# Altium PCB senocore_pcb_long.PcbDoc (part 1 of 2)
Units mm, origin at the board's own origin, x right, y up, seen from the top; angles counter-clockwise.
Board outline 68.21 x 46.01 mm, 4 copper layers (Top Layer, gnd, sig, Bottom Layer), stack 0.778 mm thick; 91 components, 74 nets, 361 pads, 139 vias.
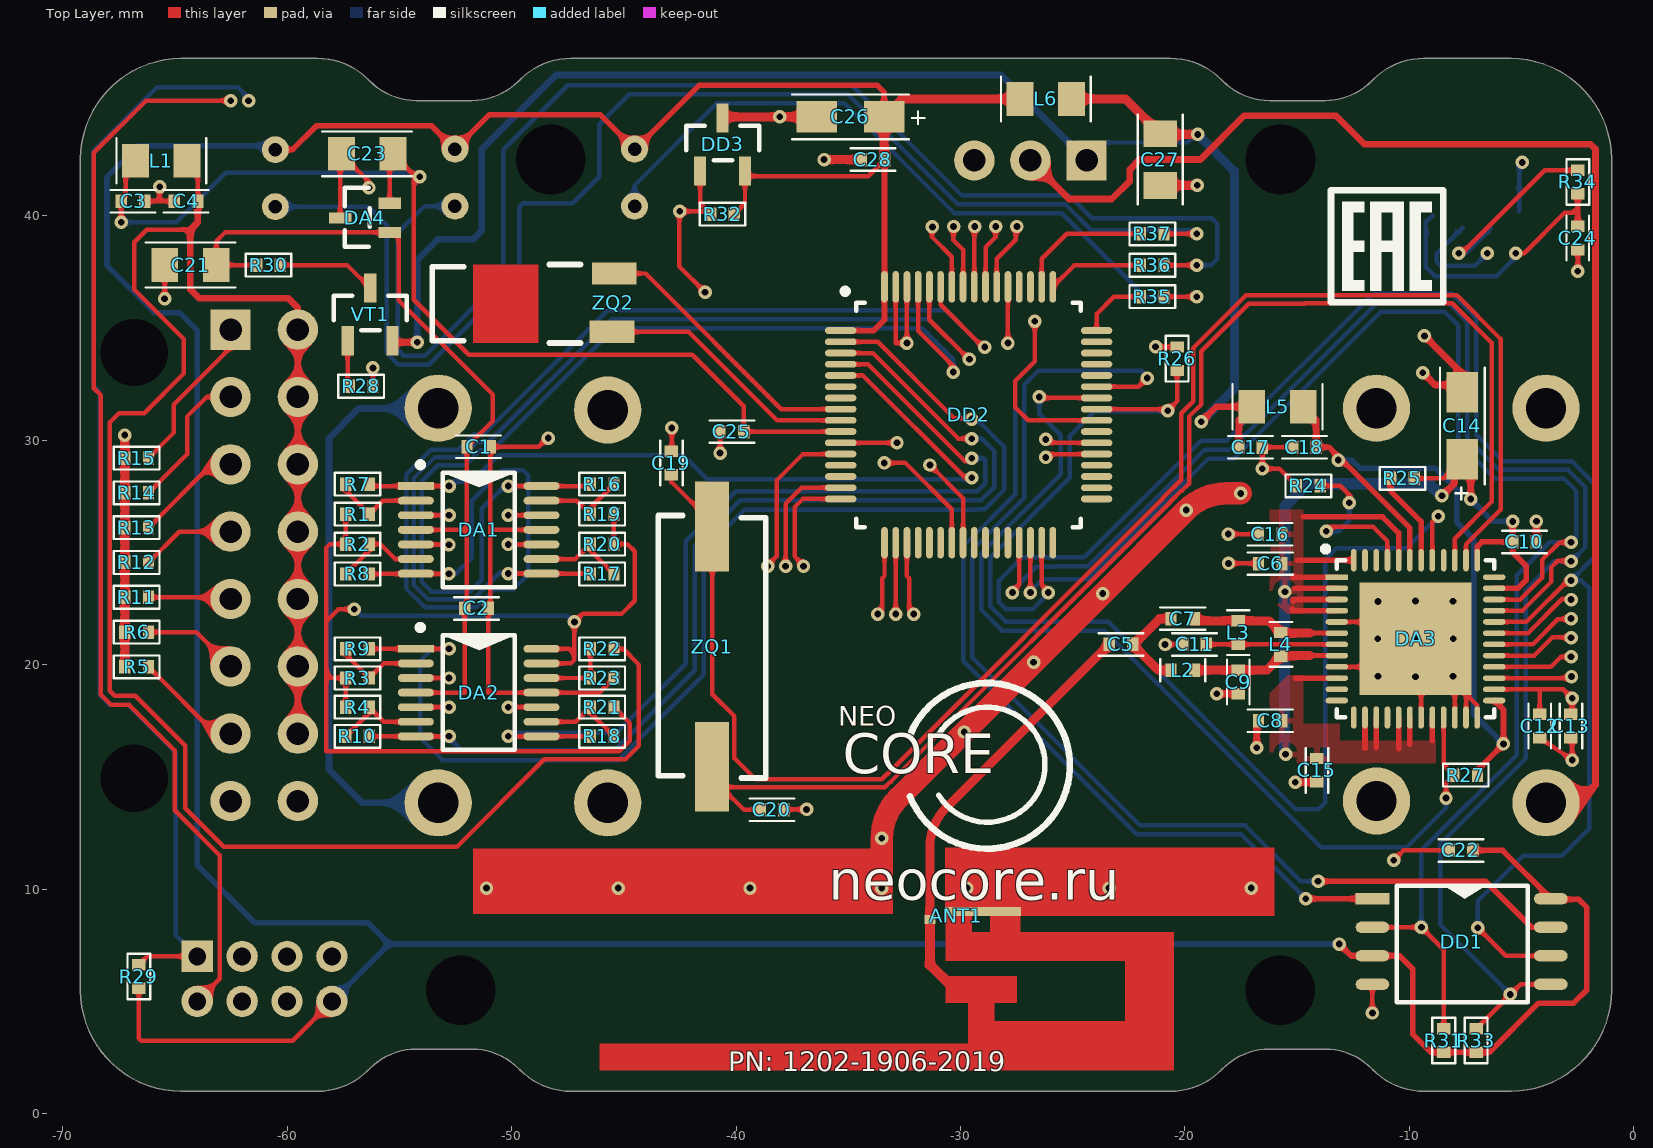
[diagram p0: Top Layer view]
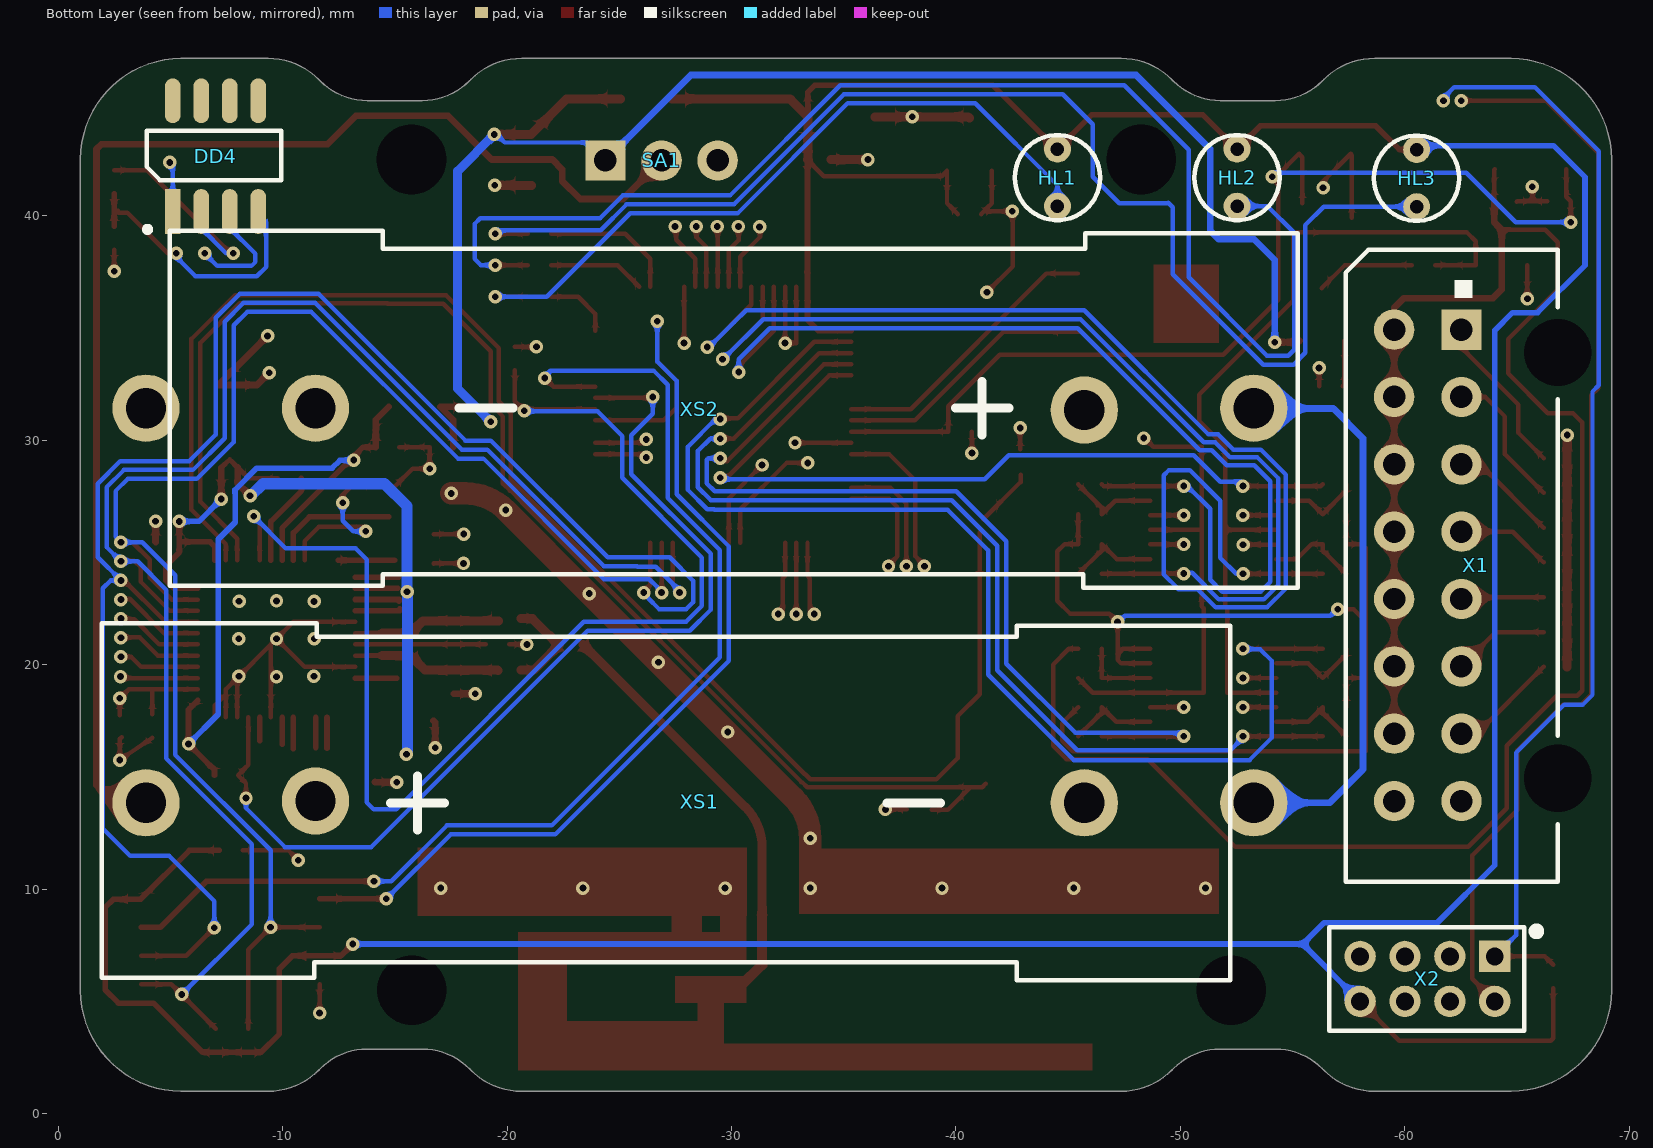
[diagram p1: Bottom Layer view, seen from below]
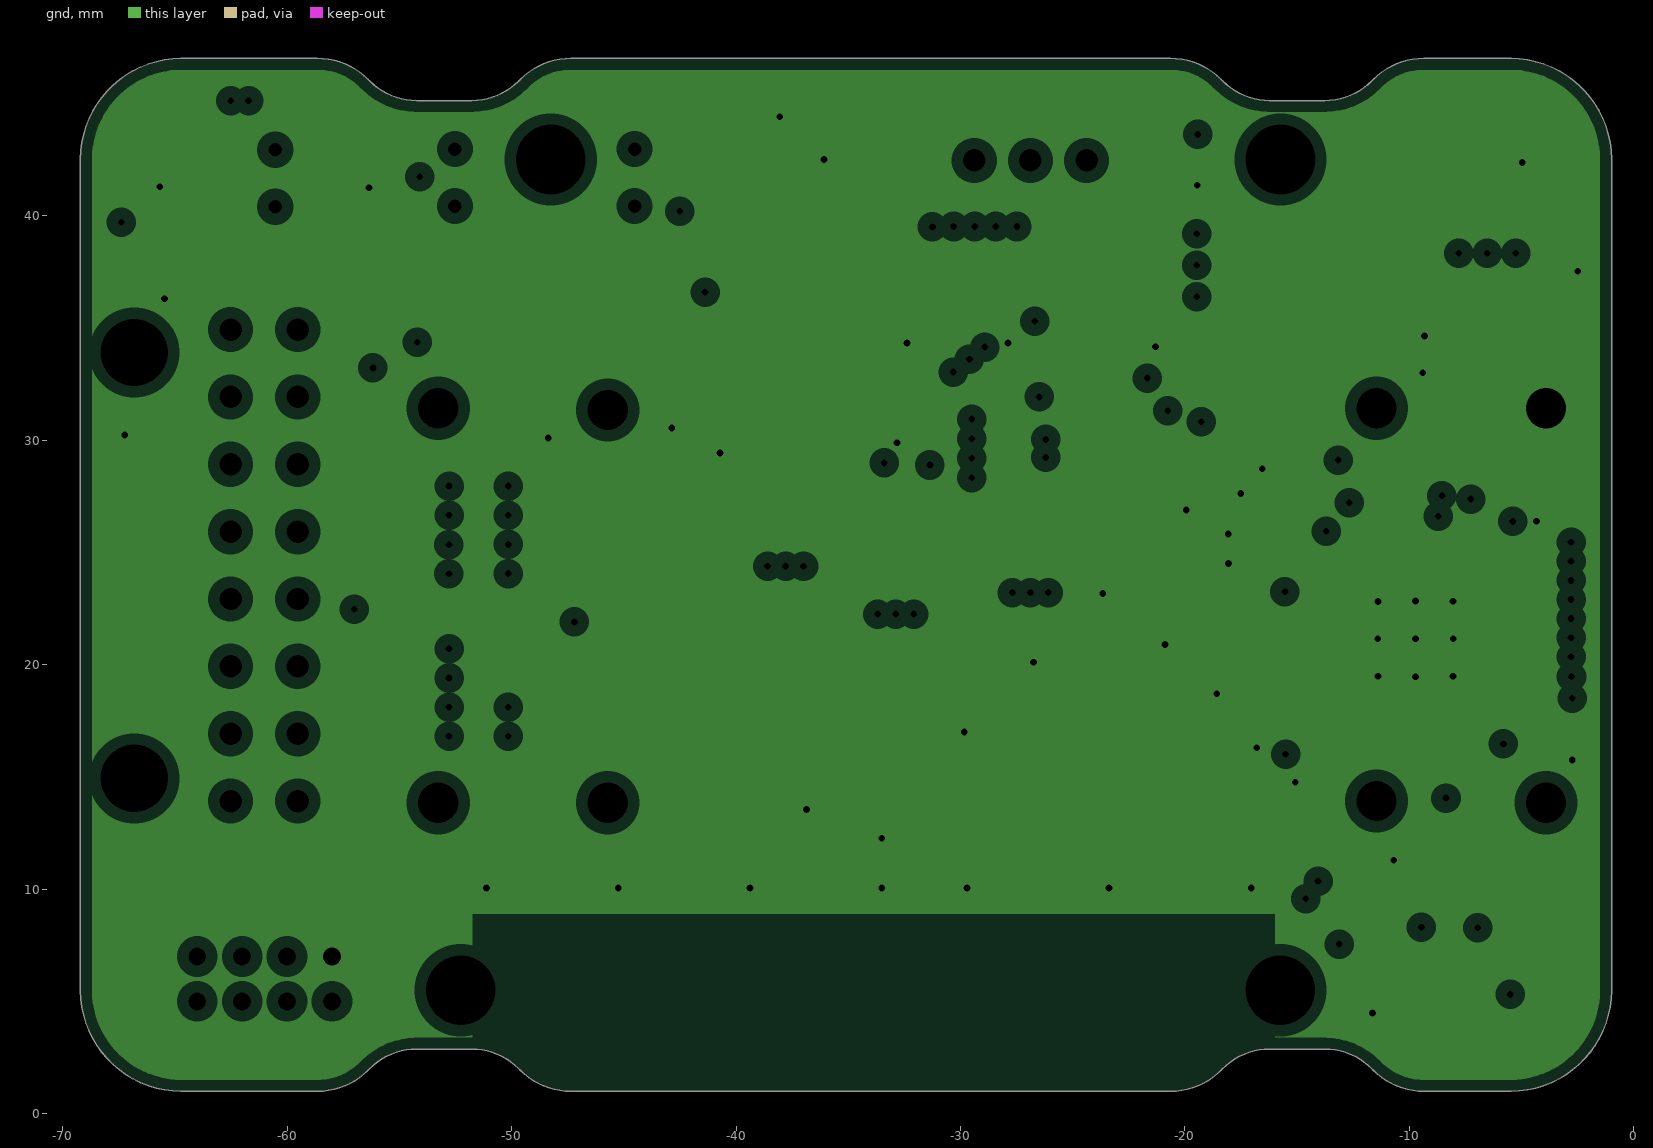
[diagram p2: gnd, clearances drawn from the general rule]
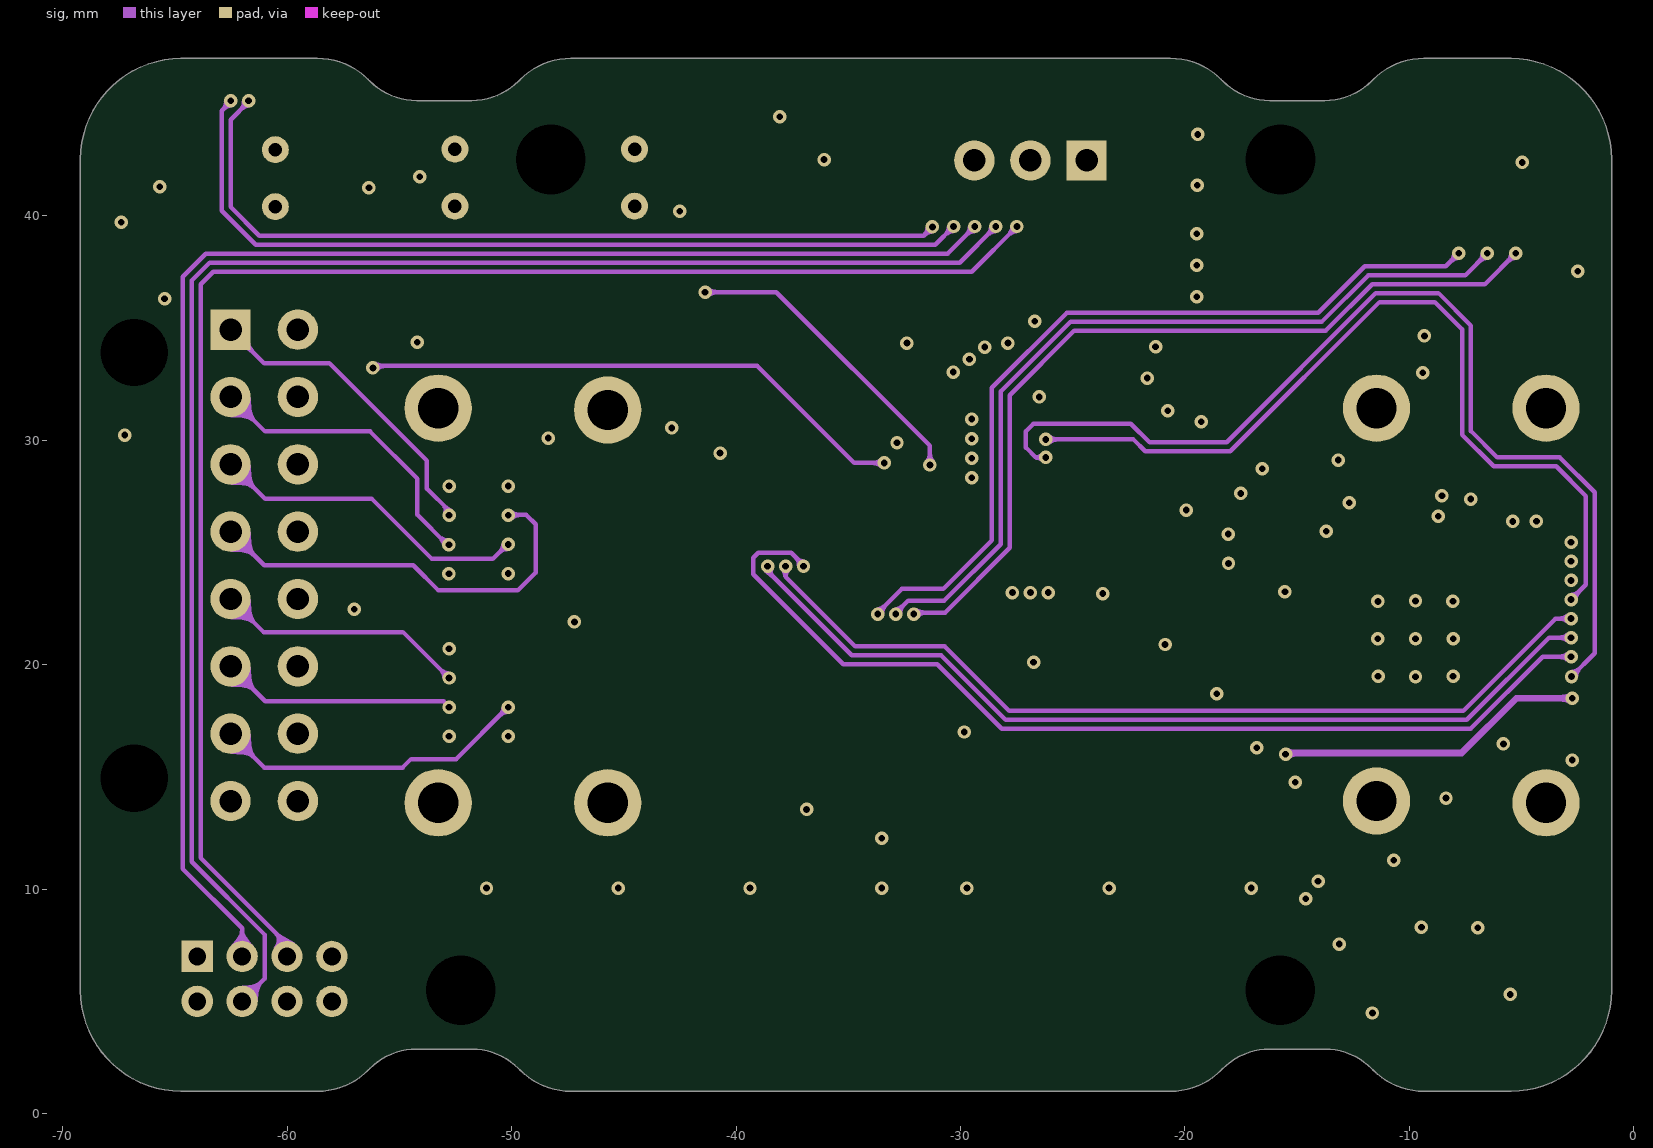
[diagram p3: sig]

## Layer stack, top to bottom
Top Solder: solder mask 0.0102, Solder Resist, Dk 3.5
Top Layer: signal copper 0.0356
Dielectric 1: core 0.254, FR-4, Dk 4.2
gnd: plane copper 0.036, net GND
Dielectric 3: prepreg 0.127, Dk 4.2
sig: signal copper 0.036
Dielectric 2: core 0.254, Dk 4.2
Bottom Layer: signal copper 0.0356
Bottom Solder: solder mask 0.0102, Solder Resist, Dk 3.5

## Board outline
-64.723,0.996 ccw(c-64.7,1.121) -64.7,0.994 -58.649,0.994 ccw(c-58.649,4.187) -56.391,1.929 -56.308,2.012 cw(c-56.398,2.102) -56.308,2.011 -56.308,2.012 cw(c-54.23,-0.066) -54.23,2.873 -51.77,2.873 cw(c-51.77,-0.066) -49.692,2.012 ccw(c-49.602,2.102) -49.692,2.011 -49.692,2.012 -49.609,1.929 ccw(c-47.351,4.187) -47.351,0.994 -20.649,0.994 ccw(c-20.649,4.187) -18.391,1.929 ccw(c-18.481,2.019) -18.359,1.981 ccw(c-18.398,2.102) -18.308,2.012 cw(c-16.23,-0.066) -16.23,2.873 -13.77,2.873 cw(c-13.77,-0.066) -11.692,2.012 -11.609,1.929 cw(c-11.519,2.019) -11.61,1.93 -11.609,1.929 ccw(c-9.351,4.187) -9.351,0.994 -5.5,0.994 ccw(c-5.5,1.121) -5.477,0.996 ccw(c-5.5,5.5) -0.996,5.477 ccw(c-1.121,5.5) -0.994,5.5 -0.994,42.5 ccw(c-1.121,42.5) -0.996,42.523 ccw(c-5.5,42.5) -5.477,47.004 ccw(c-5.5,46.879) -5.5,47.006 -9.351,47.006 ccw(c-9.351,43.813) -11.609,46.071 ccw(c-11.519,45.981) -11.61,46.07 -11.609,46.071 -11.692,45.988 cw(c-11.602,45.898) -11.692,45.989 -11.692,45.988 cw(c-13.77,48.066) -13.77,45.127 -16.23,45.127 cw(c-16.23,48.066) -18.308,45.988 -18.391,46.071 cw(c-18.481,45.981) -18.39,46.07 -18.391,46.071 ccw(c-20.649,43.813) -20.649,47.006 -47.351,47.006 ccw(c-47.351,43.813) -49.609,46.071 ccw(c-49.519,45.981) -49.641,46.019 ccw(c-49.602,45.898) -49.692,45.988 cw(c-51.77,48.066) -51.77,45.127 -54.23,45.127 cw(c-54.23,48.066) -56.308,45.988 -56.391,46.071 ccw(c-58.649,43.813) -58.649,47.006 -64.7,47.006 ccw(c-64.7,46.879) -64.723,47.004 ccw(c-64.7,42.5) -69.204,42.523 ccw(c-69.079,42.5) -69.206,42.5 -69.206,5.5 ccw(c-69.079,5.5) -69.204,5.477 ccw(c-64.7,5.5)

## Design rules (kind name [scope] priority, off if disabled: settings)
Clearance [All] p1: gap=0.15 ignorepadtopadclearanceinfootprint=FALSE
Clearance Clearance_1 [Name = 'HF-GUARD'] p2: gap=0.8 ignorepadtopadclearanceinfootprint=FALSE
HoleSize [All] p1: absolutevalues=TRUE maxlimit=5 minlimit=0.3 maxpercent=80.000 minpercent=20.000
MinimumSolderMaskSliver [All] p1: minsoldermaskwidth=0.15
PlaneClearance [All] p1: clearance=0.508
PlaneConnect [All] p1: planeconnectstyle=Relief reliefexpansion=0.508 reliefentries=4 reliefconductorwidth=0.254 reliefairgap=0.254
PolygonConnect PolygonConnect_1 [Name = 'HF-GUARD'] p1: connectstyle=Relief reliefconductorwidth=0.254 reliefentries=4 polygonreliefangle="90 Angle" airgapwidth=0.254
PolygonConnect [All] p2: connectstyle=Relief reliefconductorwidth=0.254 reliefentries=4 polygonreliefangle="90 Angle" airgapwidth=0.254
RoomDefinition senocore [InComponentClass('senocore')] p1: confinementstyle=ConfineIn formatcopy=TRUE lockcomponents=FALSE outline 0.28,19.172 24.28,19.172 24.28,28.171 0.28,28.171
RoomDefinition S [InComponentClass('S')] p2: confinementstyle=ConfineIn formatcopy=TRUE lockcomponents=FALSE outline 0.28,12.922 39.03,12.922 39.03,17.922 0.28,17.922
RoomDefinition R [InComponentClass('R')] p3: confinementstyle=ConfineIn formatcopy=TRUE lockcomponents=FALSE outline 0.28,2.672 18.28,2.672 18.28,11.672 0.28,11.672
RoutingVias [All] p1: holewidth=0.3 width=0.6 viastyle="Through Hole" minholewidth=0.3 minwidth=0.6 maxholewidth=1 maxwidth=2
SilkToSolderMaskClearance [IsPad] p1: minsilkscreentomaskgap=0.2 clearancetoexposedcopper=TRUE
SolderMaskExpansion [All] p1: expansion=0.102
Width [All] p1: maxlimit=2 minlimit=0.15 preferedwidth=0.2 minimp=50.000000 maximp=50.000000 favimp=50.000000
25 further rules are at their usual default settings.

## Classes and differential pairs
component class R: ANT1 C5 C6 C7 C8 C9 C10 C11 C12 C13 C14 C15 C16 C17 C18 C19 C20 DA3 L2 L3 L4 L5 R24 R25 R26 R27 ZQ1
component class senocore: C21 C22 C23 C24 C25 C26 C27 C28 DA4 DD1 DD2 DD3 DD4 HL1 HL2 HL3 L6 R28 R29 R30 R31 R32 R33 R34 R35 R36 R37 SA1 VT1 X2 XS1 XS2 ZQ2
component class S: C1 C2 C3 C4 DA1 DA2 L1 R1 R2 R3 R4 R5 R6 R7 R8 R9 R10 R11 R12 R13 R14 R15 R16 R17 R18 R19 R20 R21 R22 R23 UGO*1 UGO*2 UGO*3 UGO*4 X1

## Components (designator, comment, footprint, x,y, rotation, side; value= is the part's Value field where it differs from the comment)
ANT1 "PCB ANTENNA 2.4Ghz" F-antena -30.676,8.822 r180 top
C1 "100n" CAP0402 -51.463,29.704 r0 top
C2 "100n" CAP0402 -51.563,22.504 r0 top
C3 "100n" CAP0402 -66.86,40.645 r0 top
C4 "100n" CAP0402 -64.5,40.645 r180 top
C5 "5.6p" CAP0402 -22.85,20.9 r0 top
C6 "100n" CAP0402 -16.2,24.5 r180 top
C7 "0.5p" CAP0402 -20.1,22.05 r0 top
C8 "100n" CAP0402 -16.2,17.5 r180 top
C9 "0.5p" CAP0402 -17.625,19.225 r270 top
C10 "100n" CAP0402 -4.877,25.466 r0 top
C11 "5.6p" CAP0402 -19.575,20.9 r180 top
C12 "100n" CAP0402 -4.197,17.259 r270 top
C13 "33p" CAP0402 -2.805,17.259 r270 top
C14 "10u" CAPSMDA -7.641,30.64 r90 top
C15 "33p" CAP0402 -14.122,15.291 r270 top
C16 "33p" CAP0402 -16.205,25.806 r180 top
C17 "100n" CAP0402 -17.077,29.686 r0 top
C18 "100n" CAP0402 -14.677,29.686 r180 top
C19 "27p" CAP0402 -42.876,28.981 r90 top
C20 "27p" CAP0402 -38.399,13.537 r0 top
C21 "10u" CAP0805 -64.3,37.8 r180 top
C22 "100n" CAP0402 -7.705,11.723 r0 top
C23 "10u" CAP0805 -56.431,42.75 r180 top
C24 "100n" CAP0402 -2.5,39 r270 top
C25 "100n" CAP0402 -40.183,30.378 r180 top
C26 "10u" CAPSMDA -34.9,44.4 r180 top
C27 "10u" CAP0805 -21.1,42.5 r270 top
C28 "100n" CAP0402 -33.9,42.5 r180 top
DA1 "OPA4376" TSSOP-14 -43.063,20.154 r0 top
DA2 "OPA4376" TSSOP-14 -43.063,12.904 r0 top
DA3 "CC2420" QLP-48 -9.73,21.147 r0 top
DA4 "2.048V" SC70-3 -55.431,39.25 r180 top
DD1 "M25P80V6" So-8W -11.65,9.57 r0 top
DD2 "M430F1611" LQFP-64 -29.635,31.13 r0 top
DD3 "DS2411" SOT-23-3 -40.6,43.171 r90 top
DD4 "SHT10" SHT1x -3.84,40.187 r90 bottom
HL1 "RED" "LED RED TH L-1394IDT" -44.519,42.965 r270 bottom locked
HL2 "GREEN" "LED GREEN TH L-1394GDT" -52.519,42.965 r270 bottom locked
HL3 "YELLOW" "LED YELLOW TH L-1394YDT" -60.519,42.941 r270 bottom locked
L1 "10uH" IND0805 -65.6,42.445 r0 top
L2 "7.5nH" IND0402 -20.1,19.75 r0 top
L3 "5.6nH" IND0402 -17.625,21.425 r90 top
L4 "7.5nH" IND0402 -15.725,20.9 r90 top
L5 "10uH" IND0805 -15.877,31.486 r0 top
L6 "10uH" IND0805 -26.2,45.2 r180 top
R1 "20K" RES0402 -56.863,26.704 r180 top
R2 "20K" RES0402 -56.863,25.371 r180 top
R3 "20K" RES0402 -56.863,19.404 r180 top
R4 "20K" RES0402 -56.863,18.104 r180 top
R5 "10K" RES0402 -66.7,19.9 r180 top
R6 "10K" RES0402 -66.7,21.45 r180 top
R7 "10K" RES0402 -56.863,28.037 r180 top
R8 "10K" RES0402 -56.863,24.037 r180 top
R9 "10K" RES0402 -56.863,20.704 r180 top
R10 "10K" RES0402 -56.863,16.804 r180 top
R11 "10K" RES0402 -66.7,23 r180 top
R12 "10K" RES0402 -66.7,24.55 r180 top
R13 "10K" RES0402 -66.7,26.1 r180 top
R14 "10K" RES0402 -66.7,27.65 r180 top
R15 "10K" RES0402 -66.7,29.2 r180 top
R16 "10K" RES0402 -45.963,28.037 r180 top
R17 "10K" RES0402 -45.963,24.037 r180 top
R18 "10K" RES0402 -45.963,16.804 r180 top
R19 "20K" RES0402 -45.963,26.704 r180 top
R20 "20K" RES0402 -45.963,25.371 r180 top
R21 "20K" RES0402 -45.963,18.104 r180 top
R22 "20K" RES0402 -45.963,20.704 r180 top
R23 "20K" RES0402 -45.963,19.404 r0 top
R24 "43K" RES0402 -14.503,27.965 r0 top
R25 "0" RES0402 -10.312,28.296 r180 top
R26 "750K" RES0402 -20.353,33.629 r90 top
R27 "750K" RES0402 -7.493,15.074 r0 top
R28 "470" RES0402 -56.7,32.4 r180 top
R29 "750K" RES0402 -66.599,6.105 r270 top
R30 "1" RES0402 -60.825,37.8 r180 top
R31 "10K" RES0402 -8.472,3.255 r90 top
R32 "2.2K" RES0402 -40.6,40.071 r0 top
R33 "10K" RES0402 -7.028,3.255 r90 top
R34 "10K" RES0402 -2.5,41.5 r90 top
R35 "470" RES0402 -21.454,36.39 r180 top
R36 "220" RES0402 -21.454,37.791 r180 top
R37 "100" RES0402 -21.454,39.191 r180 top
SA1 "MSK-12D19" "MSK-12D19 SPDT" -24.385,42.458 r180 bottom
VT1 "IRLML5103" SOT-23-3 -56.3,35.6 r90 top
X1 "Microfit3.0 16 pins R thru hole" microfit30_16 -59.517,34.923 r180 bottom
X2 "DS-1026-06 2X4" "PBD2-8 2MM" -64,7 r270 bottom
XS1 "Keystone AA Battery Clip" "KEYSTONE AA CLIPS" -3.917,13.842 r180 bottom locked
XS2 "Keystone AA Battery Clip" "KEYSTONE AA CLIPS" -53.267,31.423 r0 bottom locked
ZQ1 "16.000M" HC49SMD -50.369,8.447 r90 top
ZQ2 "32.768K" DT-26 -50.025,35.923 r0 top

## Footprints (in the part's own frame and the unit in brackets; to place one, negate y for a bottom-side part, rotate by r counter-clockwise, add the part's x,y. Pads: shape width x height; smd on the part's side, far side on the other; paste and mask are expansions set on the pad)
CAP0402 [mm]
  rect 0.5x0.6 smd: 1(-0.525,0) 2(0.525,0)
  silkscreen extent -1,-0.5 1,0.5, body extent -0.5,-0.25 0.5,0.25, height 0.5
CAP0805 [mm]
  rect 1.2x1.5 smd: 1(-1.148,0) 2(1.148,0)
  silkscreen extent -2,-1 2,1, body extent -1,-0.6 1,0.65, height 0.78
CAPSMDA [mm]
  rect 1.8x1.4 smd: 1(-1.5,0) 2(1.5,0)
  silkscreen extent -3.33,-1 2.6,1, body extent -1.82,-0.9 1.82,0.9, height 1.81
DT-26 [mm] "L=6mm D=2mm"
  rect 2x1 smd: 1(4.6,1.5) 2(4.5,-1.1)
  Top Layer region: -1.7,-1.6 1.228,-1.6 1.228,1.9 -1.7,1.9
  silkscreen extent -3.5,-1.6 3.1,1.9, body extent -3.39,-1.36 5.59,1.7, height 2
F-antena [mm] "2.4 Ghz fow zigbee"
  rect 0.5x0.4 smd: 1(0.686,0.178)
  rect 3.4x0.4 smd: 2(-1.676,-0.178)
  Top Layer region: 0.45,0 0.91,0 0.91,2.1 0.45,2.1
  Top Layer region: -3.35,0 -2,0 -2,0.74 -3.35,0.74
  Top Layer region: -1.2,0 0,0 0,0.74 -1.2,0.74
  Top Layer region: -3.2,2.69 0,2.69 0,3.9 -3.2,3.9
  Top Layer region: -8,0.74 0,0.74 0,2.03 -8,2.03
  Top Layer region: -10.18,0.74 -8,0.74 -8,5.7 -10.18,5.7
  Top Layer region: -10.18,5.7 15.4,5.7 15.4,6.91 -10.18,6.91
  Top Layer region: -2.2,3.9 -1,3.9 -1,5.7 -2.2,5.7
  Top Layer region: -8,4.7 -2.2,4.7 -2.2,5.7 -8,5.7
  Top Layer region: -0.037,3.238 -0.362,2.913 0.45,2.1 0.775,2.425
  Top Layer region: 0.45,2.03 0.45,2.1 0.775,2.425 0.91,2.291 0.91,2.03
HC49SMD [mm]
  rect 4x1.5 smd: 1(7,-9.3) 2(17.7,-9.3)
  silkscreen extent 6.5,-11.7 18.2,-6.9, body extent 5.8,-11.7 19,-6.9, height 4.3
IND0402 [mm]
  rect 0.5x0.6 smd: 1(-0.525,0) 2(0.525,0)
  silkscreen extent -1,-0.5 1,0.5, body extent -0.5,-0.25 0.5,0.25, height 0.5
IND0805 [mm]
  rect 1.2x1.5 smd: 1(-1.148,0) 2(1.148,0)
  silkscreen extent -2,-1 2,1, body extent -1.05,-0.75 1.05,0.75, height 1.9
"KEYSTONE AA CLIPS" [mm]
  round 3 hole 1.8: 0(7.55,0.081) 0(41.8,0) 1(0,0) 2(49.35,0)
  silkscreen extent -1.96,-7.9 48.3,8, body extent -1.97,-7.92 51.11,8, height 17.25
"LED GREEN TH L-1394GDT" [mm]
  round 1.2 hole 0.6: 1(0,0) 2(2.54,0)
  silkscreen extent -0.63,-1.9 3.17,1.9, body extent -0.42,-1.73 2.88,1.57, height 20.31
"LED RED TH L-1394IDT" [mm]
  round 1.2 hole 0.6: 1(0,0) 2(2.54,0)
  silkscreen extent -0.63,-1.9 3.17,1.9, body extent -0.42,-1.73 2.88,1.57, height 20.31
"LED YELLOW TH L-1394YDT" [mm]
  round 1.2 hole 0.6: 1(0,0) 2(2.54,0)
  silkscreen extent -0.63,-1.9 3.17,1.9, body extent -0.42,-1.73 2.88,1.57, height 20.31
LQFP-64 [mm] "LQFP, 64-Leads, Body 10,00x10,00mm, Pitch 0,50mm, IPC Medium Density"
  oval 1.4x0.3 smd: 1(-5.7,3.75) 2(-5.7,3.25) 3(-5.7,2.75) 4(-5.7,2.25) 5(-5.7,1.75) 6(-5.7,1.25) 7(-5.7,0.75) 8(-5.7,0.25) 9(-5.7,-0.25) 10(-5.7,-0.75) 11(-5.7,-1.25) 12(-5.7,-1.75) 13(-5.7,-2.25) 14(-5.7,-2.75) 15(-5.7,-3.25) 16(-5.7,-3.75) 33(5.7,-3.75) 34(5.7,-3.25) 35(5.7,-2.75) 36(5.7,-2.25) 37(5.7,-1.75) 38(5.7,-1.25) 39(5.7,-0.75) 40(5.7,-0.25) 41(5.7,0.25) 42(5.7,0.75) 43(5.7,1.25) 44(5.7,1.75) 45(5.7,2.25) 46(5.7,2.75) 47(5.7,3.25) 48(5.7,3.75)
  oval 0.3x1.4 smd: 17(-3.75,-5.7) 18(-3.25,-5.7) 19(-2.75,-5.7) 20(-2.25,-5.7) 21(-1.75,-5.7) 22(-1.25,-5.7) 23(-0.75,-5.7) 24(-0.25,-5.7) 25(0.25,-5.7) 26(0.75,-5.7) 27(1.25,-5.7) 28(1.75,-5.7) 29(2.25,-5.7) 30(2.75,-5.7) 31(3.25,-5.7) 32(3.75,-5.7) 49(3.75,5.7) 50(3.25,5.7) 51(2.75,5.7) 52(2.25,5.7) 53(1.75,5.7) 54(1.25,5.7) 55(0.75,5.7) 56(0.25,5.7) 57(-0.25,5.7) 58(-0.75,5.7) 59(-1.25,5.7) 60(-1.75,5.7) 61(-2.25,5.7) 62(-2.75,5.7) 63(-3.25,5.7) 64(-3.75,5.7)
  silkscreen extent -5.62,-5 5,5.62, body extent -6,-6 6,6, height 1.6
microfit30_16 [mm]
  round 0 hole 3 unplated: 0(7.29,-19.99) 0(7.29,-1.016)
  rect 1.8x1.8 hole 1: 1(3,0)
  round 1.8 hole 1: 2(3,-3) 3(3,-6) 4(3,-9) 5(3,-12) 6(3,-15) 7(3,-18) 8(3,-21) 9(0,0) 10(0,-3) 11(0,-6) 12(0,-9) 13(0,-12) 14(0,-15) 15(0,-18) 16(0,-21)
  silkscreen extent -2.16,-24.59 7.29,3.56, body extent -0.29,-24.57 11.95,3.58, height 8.83
"MSK-12D19 SPDT" [mm]
  rect 1.8x1.8 hole 1: 1(0,0)
  round 1.8 hole 1: 2(2.5,0) 3(5,0)
  body extent -2.53,-2.06 7.67,4.44, height 5.15
"PBD2-8 2MM" [mm]
  rect 1.4x1.4 hole 0.8: 1(0,0)
  round 1.4 hole 0.8: 2(2,0) 3(0,-2) 4(2,-2) 5(0,-4) 6(2,-4) 7(0,-6) 8(2,-6)
  silkscreen extent -1.3,-7.37 3.3,1.95, body extent -0.99,-6.98 3.01,1.02, height 4.7
QLP-48 [mm] "LQFP-48, 48-Leads, Body 7,00x7,00mm, Pitch 0,50mm"
  rect 1x0.25 smd: 1(-3.505,2.753)
  oval 1x0.25 smd: 2(-3.505,2.253) 3(-3.505,1.753) 4(-3.505,1.253) 5(-3.505,0.753) 6(-3.505,0.253) 7(-3.505,-0.247) 8(-3.505,-0.747) 9(-3.505,-1.247) 10(-3.505,-1.747) 11(-3.505,-2.247) 12(-3.505,-2.747) 25(3.505,-2.747) 26(3.505,-2.247) 27(3.505,-1.747) 28(3.505,-1.247) 29(3.505,-0.747) 30(3.505,-0.247) 31(3.505,0.253) 32(3.505,0.753) 33(3.505,1.253) 34(3.505,1.753) 35(3.505,2.253) 36(3.505,2.753)
  oval 0.25x1 smd: 13(-2.75,-3.503) 14(-2.25,-3.503) 15(-1.75,-3.503) 16(-1.25,-3.503) 17(-0.75,-3.503) 18(-0.25,-3.503) 19(0.25,-3.503) 20(0.75,-3.503) 21(1.25,-3.503) 22(1.75,-3.503) 23(2.25,-3.503) 24(2.75,-3.503) 37(2.75,3.503) 38(2.25,3.503) 39(1.75,3.503) 40(1.25,3.503) 41(0.75,3.503) 42(0.25,3.503) 43(-0.25,3.503) 44(-0.75,3.503) 45(-1.25,3.503) 46(-1.75,3.503) 47(-2.25,3.503) 48(-2.75,3.503)
  rect 5x5 smd: 49(0,0.002)
  silkscreen extent -4.13,-3.5 3.51,4.13, body extent -3.51,-3.5 3.51,3.5, height 0.83
RES0402 [mm] "Chip Resistor, 2-Leads, Body 2,0x1,3mm, IPC Medium Density"
  rect 0.5x0.6 smd: 1(-0.525,0) 2(0.525,0)
  silkscreen extent -1.02,-0.51 1.02,0.51, body extent -0.5,-0.25 0.5,0.25, height 0.5
SC70-3 [mm]
  rect 1x0.5 smd: 1(0,0) 2(0,-1.3) 3(2.2,-0.65)
  silkscreen extent 0.89,-1.99 2,0.64, body extent -0.1,-1.7 2.2,0.4, height 1
SHT1x [mm]
  rect 2x0.7 smd: 1(0,-1.27)
  oval 2x0.7 smd: 2(0,-2.54) 3(0,-3.81) 4(0,-5.08) NC(4.93,-5.08) NC(4.93,-3.81) NC(4.93,-2.54) NC(4.93,-1.27)
  silkscreen extent -0.92,-6.1 3.6,-0.02, body extent 0,-6.94 4.93,0.53, height 2.45
So-8W [mm] "208mils"
  rect 1.5x0.5 smd: 1(0,0)
  oval 1.5x0.5 smd: 2(0,-1.27) 3(0,-2.54) 4(0,-3.81) 5(7.95,-3.81) 6(7.95,-2.54) 7(7.95,-1.27) 8(7.95,0)
  silkscreen extent 1.09,-4.61 6.91,0.59, body extent 0.04,-4.54 7.94,0.76, height 1.95
SOT-23-3 [mm]
  rect 1.3x0.55 smd: 1(-1.175,1.001) 2(-1.175,-1.001) 3(1.175,0)
  silkscreen extent -0.7,-1.63 0.83,1.63, body extent -1.27,-1.5 1.27,1.5, height 1.1
TSSOP-14 [mm] "TSOP, 14-Leads, Body 5,00x4,40mm, Pitch 0,65mm, IPC Medium Density"
  rect 1.6x0.35 smd: 1(-11.2,7.8)
  oval 1.6x0.35 smd: 2(-11.2,7.15) 3(-11.2,6.5) 4(-11.2,5.85) 5(-11.2,5.2) 6(-11.2,4.55) 7(-11.2,3.9) 8(-5.6,3.9) 9(-5.6,4.55) 10(-5.6,5.2) 11(-5.6,5.85) 12(-5.6,6.5) 13(-5.6,7.15) 14(-5.6,7.8)
  silkscreen extent -11.12,3.3 -6.8,8.87, body extent -11.6,3.3 -5.2,8.4, height 1.2

## Part data
ANT1: "PCB antenna 2.4Ghz", PartNumber="PCB PRINT"
C1 C2 C3 C4 C6 C8 C10 C12 C17 C18 C22 C24 C25 C28: library part "100n SMD 0402", "0402 SMD", Manufacturer=Yageo, PartNumber=CC0402ZRY5V7BB104, Supplier=Terraelectronica, Unit Price=0.22, WebLink=https://www.terraelectronica.ru/product/543093
C5 C11: library part "5.6p SMD 0402", "+/- 0.25pF NP0 SMD 0402", Manufacturer=Yageo, PartNumber=CC0402CRNPO9BN5R6, Supplier=Terraelectronica, Unit Price=0.27, WebLink=https://www.terraelectronica.ru/product/980955
C7 C9: library part "0.5p SMD 0402", "+/- 0.25pF NP0 SMD 0402", Manufacturer=Murata, PartNumber=GRM1555C1HR50BA01D, Supplier=Terraelectronica, Unit Price=0.69, WebLink=https://www.terraelectronica.ru/product/817877
C13 C15 C16: library part "33p SMD 0402", "0402 SMD", Manufacturer=Yageo, PartNumber=CC0402JRNPO9BN330, Supplier=Terraelectronica, Unit Price=0.24, WebLink=https://www.terraelectronica.ru/product/367363
C14 C26: library part "10u SMD TYPE A", "SMD TYPE A", Manufacturer=Kemet, PartNumber=T491A106K010AT, Supplier=Terraelectronica, Unit Price=5, WebLink=https://www.terraelectronica.ru/product/556976
C19 C20: library part "27p SMD 0402", "0402 SMD", Manufacturer=Samsung, PartNumber=CL05C270JB5NNNC, Supplier=Terraelectronica, Unit Price=0.24, WebLink=https://www.terraelectronica.ru/product/863257
C21 C23 C27: library part "10u SMD 0805", "0805 SMD", Manufacturer=Samsung, PartNumber=CL21A106KPFNNNG, Supplier=Terraelectronica, Unit Price=1.2, WebLink=https://www.terraelectronica.ru/product/984943
DA1 DA2: "Opamp  2.2-5.5 V, Offset 5?V", Manufacturer="Texas Instruments", PartNumber=OPA4376AIPW, WebLink=https://www.terraelectronica.ru/product/349931
DA3: "2.4 GHz transiver", Manufacturer="Texas Instruments", PartNumber=CC2420RGZR, Supplier=Terraelectronica, Unit Price=439, WebLink=https://www.terraelectronica.ru/catalog/integralnye-mikroshemy-dlya-radiosvyazi-274?text=cc2420&search=cc2420
DA4: library part REF3320, "Reference 2.048V", Manufacturer="Texas Instruments", PartNumber="REF3318AIDCKR, REF3318AIDCKT", Supplier=Terrraelectronica, Unit Price=67, WebLink=https://www.terraelectronica.ru/catalog/istochniki-opornogo-napryazheniya-i-toka-256?text=ref3320&search=ref3320
DD1: "Serial memory 2.7-3.6V, 8 Mbit (1 Mbyte)", Manufacturer=Micron, PartNumber=M25P80-VMW, Supplier=Chipdip, Unit Price=130, WebLink=https://www.chipdip.ru/product1/8344124196
DD2: "MCU", Manufacturer="Texas Instruments", PartNumber=MSP430F1611IPM, Supplier=Terraelectronica, Unit Price=1480, WebLink=https://www.terraelectronica.ru/product/67958
DD3: "Unic 48bit serial code. Family code 0x01", Manufacturer=Maxim, PartNumber=DS2411R+T&R, Supplier=Chipdip, Unit Price=130, WebLink=https://www.chipdip.ru/product/ds2411r-t-r-2
DD4: "Temp and hum sensor", Manufacturer=Sensirion, PartNumber=SHT10, Supplier=Terraelectronica, Unit Price=998, WebLink=https://www.terraelectronica.ru/product/325109
HL1: library part "LED Flat top RED TH 3.4mm/2mm", "10 mA, V=2.5 V", Manufacturer=Kingbright, PartNumber=L-1394IDT, Supplier=Chipdip, Unit Price=8, WebLink=https://www.chipdip.ru/product/l-1394id-t
HL2: library part "LED Flat top GREEN TH 3.4mm/2mm", "10 mA, V=2.5 V", Manufacturer=Kingbright, PartNumber=L-1394GDT, Supplier=Chipdip, Unit Price=8, WebLink=https://www.chipdip.ru/product/l-1394gd-t
HL3: library part "LED Flat top YELLOW TH 3.4mm/2mm", "10 mA, V=2.5 V", Manufacturer=Kingbright, PartNumber=L-1394YDT, Supplier=Chipdip, Unit Price=8, WebLink=https://www.chipdip.ru/product/l-1394yd-t
L1 L5 L6: library part "IND 10uH SMD 0805", "0805 SMD", Manufacturer=Murata, PartNumber=LQM21FN100M80L, Supplier=Terraelectronica, Unit Price=4.4, WebLink=https://www.terraelectronica.ru/product/1496283
L2 L4: library part "IND 7.5nH SMD 0402", "SMD 0402 5%", Manufacturer=Murata, PartNumber=LQG15HS7N5J02D, Supplier=Terraelectronica, Unit Price=1.1, WebLink=https://www.terraelectronica.ru/product/574342
L3: library part "IND 5.6nH SMD 0402", "SMD 0402 5%", Manufacturer=Murata, PartNumber=LQG15HS5N6S02D, Supplier=Terraelectronica, Unit Price=1.1, WebLink=https://www.terraelectronica.ru/product/867408
R1 R2 R3 R4 R19 R20 R21 R22 R23: library part "20K 1% SMD 0402", "1% 0402 SMD 0.063W", Manufacturer=Yageo, PartNumber=RC0402FR-0720KL, Supplier=Terraelectronicac, Unit Price=0.11, WebLink=https://www.terraelectronica.ru/product/506449
R5 R6 R7 R8 R9 R10 R11 R12 R13 R14 R15 R16 R17 R18 R31 R33 R34: library part "10K 1% SMD 0402", "1% 0402 SMD 0.063W", Manufacturer=Yageo, PartNumber=RC0402FR-0710KL, Supplier=Terraelectronica, Unit Price=0.1
  R5 R6 R7 R8 R9 R10 R11 R12 R13 R14 R15 R16 R17 R18: WebLink=https://www.terraelectronica.ru/product/358779
  R31 R33 R34: WebLink=tps://www.terraelectronica.ru/product/358779
R24: library part "43K 1% SMD 0402", "1% 0402 SMD 0.063W", Manufacturer=Yageo, PartNumber=RC0402FR-0743KL, Supplier=Terraelectronica, Unit Price=0.11, WebLink=https://www.terraelectronica.ru/product/870768
R25: library part "0R 1% SMD 0402", "1% 0402 SMD 0.063W", Manufacturer=Yageo, PartNumber=RC0402FR-070RL, Supplier=Terraelectronica, Unit Price=0.1, WebLink=https://www.terraelectronica.ru/product/1029619
R26 R27 R29: library part "750K 1% SMD 0402", "1% 0402 SMD 0.063W", Manufacturer=Yageo, PartNumber=RC0402FR-07750KL, Supplier=Terraelectronica, Unit Price=0.1, WebLink=https://www.terraelectronica.ru/product/870851
R28 R35: library part "470R 1% SMD 0402", "1% 0402 SMD 0.063W", Manufacturer=Yageo, PartNumber=RC0402FR-07470RL, Supplier=Terraelectronica, Unit Price=0.1, WebLink=https://www.terraelectronica.ru/product/870778
R30: library part "1R 1% SMD 0402", "1% 0402 SMD 0.063W", Manufacturer=Yageo, PartNumber=RC0402FR-071RL, Supplier=Terraelectronica, Unit Price=0.1, WebLink=https://www.terraelectronica.ru/product/870639
R32: library part "2.2K 1% SMD 0402", "1% 0402 SMD 0.063W", Manufacturer=Yageo, PartNumber=RC0402FR-072K2L, Supplier=Terraelectronica, Unit Price=0.11, WebLink=https://www.terraelectronica.ru/product/560314
R36: library part "220R 1% SMD 0402", "1% 0402 SMD 0.063W", Manufacturer=Yageo, PartNumber=RC0402FR-07220RL, Supplier=Terraelectronica, Unit Price=0.1, WebLink=https://www.terraelectronica.ru/product/870650
R37: library part "100R 1% SMD 0402", "1% 0402 SMD 0.063W", Manufacturer=Yageo, PartNumber=RC0402FR-07100RL, Supplier=Terraelectronica, Unit Price=0.11, WebLink=https://www.terraelectronica.ru/product/361823
SA1: library part "SPD 3 pin MSK-12D19", "Slide switch 3 pin", Manufacturer="Shenzhen Intech Electronic", PartNumber=MSK-12D19, Unit Price=20, WebLink=http://www.intechswitch.com/products/SideKnobToggleslideswitchseries/641.html
VT1: "p-mosfet   -30V 0.76A Vgs=-1V", Manufacturer="International Rectifier", PartNumber=IRLML5103TRPBF, Supplier=Chipdip, Unit Price=9, WebLink=https://www.chipdip.ru/product/irlml5103tr
X1: "Step 3mm, dual row 16 pins, thru hole", Manufacturer=Molex, PartNumber="43045-1601 molex", Supplier=Chipdip, Unit Price=450, WebLink=https://www.chipdip.ru/product/43045-1601
X2: library part "PBD2-8 step 2mm", "Step 2mm 2x4 height 4.3mm", Manufacturer="Ningbo connfly electronic", PartNumber=DS1026-06-2*4S8BV, Supplier=Chipdip, Unit Price=11, WebLink=https://www.chipdip.ru/product/pbd2-8
XS1 XS2: "Button Contact", Manufacturer=Keystone, PartNumber=92, WebLink=https://www.keyelco.com/category.cfm/Cylindrical-Cell-Clips-THM-and-SMT/AA-CR2-Battery-Clips-and-Contacts/id/945
ZQ1: library part "ZQ 16.000M 12pF 20ppm", "Load 12pF 20ppm", Manufacturer=China, PartNumber=16.000MHzHC-49SM, Supplier=Chipdip, Unit Price=15, WebLink=https://www.chipdip.ru/product/16mhz-hc-49sm?from=suggest_product
ZQ2: library part "ZQ 32.768K 12.5pF 20ppm", "Load 12.5pF 20ppm", Manufacturer=China, PartNumber=32768Hz(2x6mm), Supplier=Chipdip, Unit Price=12, WebLink=https://www.chipdip.ru/product/32768hz-2x6mm

## Free pads (board coordinates)
  round 0 hole 3.1 unplated: npth(-52.254,5.5) npth(-48.254,42.5) npth(-15.746,5.5) npth(-15.745,42.5)

## Via types
v1: diameter 0.6, hole 0.3, Top Layer to Bottom Layer, tented both sides, 139 vias

## Nets (pads, with @x,y where several pads share a name; then routed paths per layer and width w, separated by ;. In a path a pad name is that pad's centre, name@x,y a point inside that pad or via, vN(x,y) a via of type N, cw(c..) or ccw(c..) an arc to the next point about the centre after c; other vN are vias at no path point)
1WIRE: DD2.24 DD3.1 R32.1 | length 25.3
  Top Layer w0.2: v1@-42.521,40.216 -42.521,37.737 v1(-41.376,36.591) ; v1(-42.507,40.194) R32.1@-41.249,40.194 ; DD3.1@-41.601,41.996 -41.601,40.547 R32.1@-41.249,40.194 ; R32.1@-41.125,40.071 R32.1@-41.249,40.194 ; v1(-31.362,28.893) -29.885,27.416 DD2.24@-29.885,25.43
  sig w0.2: v1(-41.376,36.591) -38.203,36.591 -31.362,29.75 v1(-31.362,28.893)
#HOLD: DD1.7 DD2.43 | length 52.2
  Top Layer w0.2: DD2.43@-23.935,32.38 -22.07,32.38 v1(-21.685,32.765)
  Top Layer w0.25: v1(-14.073,10.348) -6.607,10.348 -4.559,8.3 DD1.7@-3.7,8.3
  Bottom Layer w0.2: v1(-21.685,32.765) -21.685,32.836 -21.951,33.102 -26.527,33.102 -27.159,32.469 -27.159,27.424 -29.485,25.099 -29.485,20.334 -21.987,12.836 -17.325,12.836 -14.837,10.348 v1(-14.073,10.348)
AIN_1: DA1.1 DD2.5 R7.1 | length 35.5
  Top Layer w0.2: R7.1@-56.338,28.037 -56.254,27.954 DA1.1@-54.263,27.954 v1(-52.78,27.954) ; DD2.5@-35.335,32.88 -34.351,32.88 -29.79,28.319 v1@-29.606,28.319
  Bottom Layer w0.2: v1(-52.78,27.954) -52.78,27.991 -52.62,28.151 -51.771,28.151 -50.598,29.324 -42.348,29.324 -41.274,28.25 v1@-29.517,28.25
  other v1: -29.5,28.319
AIN_2: DA1.7 DD2.59 R8.1 | length 59.4
  Top Layer w0.2: R8.1@-56.338,24.037 -54.279,24.037 DA1.7@-54.271,24.046 ; DA1.7@-54.263,24.054 DA1.7@-54.271,24.046 ; v1(-52.789,24.046) DA1.7@-54.271,24.046 ; DD2.59@-30.885,36.83 -30.885,36.031 -28.998,34.144 -28.994,34.148 v1(-28.918,34.148)
  Bottom Layer w0.2: v1@-52.777,24.046 -52.482,24.046 -51.776,24.752 -51.776,27.299 -50.408,28.667 -49.488,28.667 -49.261,28.44 -49.261,24.015 -49.909,23.367 -50.747,23.367 -51.562,22.552 -53.855,22.552 -54.697,23.394 -54.697,28.455 -53.573,29.58 -52.356,29.58 -51.684,30.252 -51.247,30.252 -45.712,35.787 -30.65,35.787 -30.123,35.26 -29.033,34.17 v1@-28.967,34.17
AIN_3: DA1.8 DD2.60 R17.2 | length 45.8
  Top Layer w0.2: v1(-50.145,24.054) DA1.8@-48.663,24.054 -46.504,24.054 R17.2@-46.488,24.037 ; DD2.60@-31.385,36.83 -31.385,35.362 -29.623,33.6 v1(-29.6,33.6)
  Bottom Layer w0.2: v1@-50.125,24.087 -50.522,24.087 -51.707,22.902 -53.71,22.902 -54.347,23.539 -54.347,28.31 -53.428,29.23 -52.211,29.23 -51.539,29.902 -51.031,29.902 -45.546,35.387 -31.408,35.387 -29.725,33.704 v1@-29.545,33.704
AIN_4: DA1.14 DD2.61 R16.2 | length 48.1
  Top Layer w0.2: v1(-50.145,27.954) DA1.14@-48.663,27.954 -46.571,27.954 R16.2@-46.488,28.037 ; DD2.61@-31.885,36.83 -31.885,34.862 -30.199,33.175 -30.32,33.054 v1(-30.32,33.033)
  Bottom Layer w0.2: v1@-50.254,28.003 -51.32,26.937 -51.32,23.785 -51.852,23.252 -53.565,23.252 -53.997,23.684 -53.997,28.165 -53.283,28.88 -52.066,28.88 -51.394,29.552 -50.865,29.552 -45.43,34.987 -33.463,34.987 -33.46,34.985 ; -33.427,34.986 -31.698,34.986 -30.32,33.608 v1(-30.32,33.033)
AIN_5: DA2.1 DD2.2 R9.1 | length 54.2
  Top Layer w0.2: R9.1@-56.338,20.704 DA2.1@-54.263,20.704 v1(-52.781,20.704) ; DD2.2@-35.335,34.38 -33.693,34.38 -30.279,30.966 -29.66,30.966 -29.577,30.883 v1@-29.577,30.94
  Bottom Layer w0.2: v1@-52.904,20.691 -53.546,20.691 -54.075,20.162 -54.075,16.75 -53.075,15.75 -45.239,15.75 -41.439,19.55 -41.439,25.084 -39.622,26.901 -29.242,26.901 -29.224,26.919 -28.92,26.919 -28.058,27.781 -28.058,29.71 -29.288,30.94 v1(-29.5,30.94)
AIN_6: DA2.7 DD2.3 R10.1 | length 46.5
  Top Layer w0.2: R10.1@-56.338,16.804 DA2.7@-54.263,16.804 v1(-52.781,16.804) ; DD2.3@-35.335,33.88 -33.909,33.88 -30.1,30.071 -29.596,30.071 -29.567,30.1 v1@-29.5,30.1
  Bottom Layer w0.2: v1@-52.816,16.775 -52.232,16.191 -45.404,16.191 -41.839,19.755 -41.839,25.29 -39.81,27.319 -29.086,27.319 -28.5,27.905 -28.5,29.518 -29.048,30.066 v1(-29.5,30.066)
AIN_7: DA2.8 DD2.4 R18.2 | length 42
  Top Layer w0.2: v1(-50.146,16.804) DA2.8@-48.663,16.804 R18.2@-46.488,16.804 ; DD2.4@-35.335,33.38 -34.116,33.38 -30.263,29.527 -30.263,29.523 -29.81,29.069 v1@-29.606,29.069
  Bottom Layer w0.2: v1@-50.184,16.75 -49.972,16.962 -45.322,16.962 -42.239,20.044 -42.239,25.495 -40.016,27.719 -29.251,27.719 -28.9,28.07 -28.9,29.12 -28.973,29.193 v1(-29.5,29.193)
CC2420_CSn: DA3.31 DD2.38 | length 44.6
  Top Layer w0.2: v1(-26.199,30.03) -26.049,29.88 DD2.38@-23.935,29.88 ; DA3.31@-6.225,21.4 -4.719,21.4 -3.191,22.928 v1@-2.83,22.928
  sig w0.2: v1(-26.199,30.03) -22.295,30.03 -21.767,29.503 -17.979,29.503 -11.331,36.15 -8.875,36.15 -7.659,34.934 -7.659,30.24 -6.249,28.83 -3.467,28.83 -2.146,27.509 -2.146,23.554 v1(-2.8,22.9)
CC2420_nRST: DA3.21 DD2.42 R27.1 | length 44.1
  Top Layer w0.2: v1(-26.492,31.924) -26.449,31.88 DD2.42@-23.935,31.88 ; DA3.21@-8.48,17.645 -8.48,15.537 R27.1@-8.018,15.074 -8.372,14.72 v1(-8.372,14.053)
  Bottom Layer w0.2: v1(-26.492,31.924) -26.492,31.172 -25.533,30.213 -25.533,28.485 -29.085,24.933 -29.085,22.453 -28.142,21.51 -23.586,21.51 -13.95,11.874 -10.107,11.874 -8.372,13.609 v1(-8.372,14.053)
CC2420_VREG: DA3.41 DD2.41 R26.1 | length 56.6
  Top Layer w0.2: DD2.41@-23.935,31.38 -20.833,31.38 v1(-20.766,31.313) -20.353,31.727 R26.1@-20.353,33.104 ; DA3.41@-8.98,24.65 -8.98,26.336 v1(-8.712,26.604)
  Bottom Layer w0.2: v1(-20.766,31.313) -20.796,31.283 -24.033,31.283 -25.133,30.183 -25.133,28.32 -28.685,24.767 -28.685,22.619 -27.976,21.91 -23.42,21.91 -15.059,13.549 -14.063,13.549 -13.754,13.859 -13.754,24.679 -13.258,25.175 -10.141,25.175 v1(-8.712,26.604)
CCA: DA3.28 DD2.16 | length 52.5
  Top Layer w0.2: v1(-36.993,24.377) -36.993,24.426 -37.393,24.826 -37.393,27.004 -37.017,27.38 DD2.16@-35.335,27.38 ; DA3.28@-6.225,19.9 -3.699,19.9 -3.25,20.348 v1@-2.872,20.348
  sig w0.2: v1(-36.993,24.377) -36.993,24.426 -37.544,24.977 -39.012,24.977 -39.236,24.754 -39.236,24.03 -35.217,20.01 -31.033,20.01 -28.16,17.137 -7.278,17.137 -4.065,20.35 v1(-2.8,20.35)
COM-REF: DA2.13 DA2.14 R1.2 R2.2 R3.2 R4.2 R19.1 R20.1 R21.1 | length 53
  Top Layer w0.2: -58.257,22.041 -58.243,22.027 ; R4.2@-57.388,18.104 R3.2@-57.388,19.404 -58.02,19.404 -58.243,19.626 ; R1.2@-57.388,26.704 R2.2@-57.388,25.371 -58.088,25.371 -58.243,25.216 -58.243,22.027 ; v1(-57.009,22.466) -57.71,22.466 -58.196,21.98 -58.243,22.027 ; DA2.13@-48.663,20.054 -47.352,20.054 -47.199,20.207 -47.199,20.464 ; DA2.14@-48.663,20.704 -47.439,20.704 -47.199,20.464 ; R21.1@-45.438,18.104 -44.723,17.388 -44.723,16.61 -45.195,16.137 -58.243,16.137 -58.243,19.626 ; R19.1@-45.438,26.704 R20.1@-45.438,25.371 -44.84,25.371 -44.515,25.045 -44.515,22.84 -45.079,22.276 -46.823,22.276 v1(-47.199,21.9) -47.199,20.464 ; -58.243,19.626 -58.243,22.027
  Bottom Layer w0.2: v1@-56.984,22.479 -56.681,22.177 -47.514,22.177 v1@-47.206,21.869
FET_ON: DD2.23 R28.1 | length 30.9
  Top Layer w0.2: R28.1@-56.175,32.4 v1(-56.175,33.217) ; v1(-33.391,28.982) -32.453,28.982 -30.385,26.914 DD2.23@-30.385,25.43
  sig w0.2: v1(-56.175,33.217) -56.082,33.31 -54.506,33.31 ; -54.588,33.305 -39.053,33.305 -34.73,28.982 v1(-33.391,28.982)
FIFO: DA3.30 DD2.15 | length 49
  Top Layer w0.2: v1(-37.793,24.377) -37.793,27.169 -37.082,27.88 DD2.15@-35.335,27.88 ; DA3.30@-6.225,20.9 -4.514,20.9 -3.389,22.026 v1@-2.84,22.026
  sig w0.2: v1(-37.793,24.377) -37.793,23.918 -34.685,20.81 -30.702,20.81 -27.829,17.937 -7.61,17.937 -3.497,22.05 v1(-2.8,22.05)
FIFOP: DA3.29 DD2.12 | length 51.3
  Top Layer w0.2: v1(-38.593,24.377) -38.593,24.426 -38.193,24.826 -38.193,28.204 -37.017,29.38 DD2.12@-35.335,29.38 ; DA3.29@-6.225,20.4 -4.448,20.4 -3.64,21.208 v1@-2.872,21.208
  sig w0.2: v1(-38.593,24.377) -38.593,24.153 -34.851,20.41 -30.868,20.41 -27.994,17.537 -7.444,17.537 -3.781,21.2 v1(-2.8,21.2)